# Allegro board C000PD020-3399PRO-DMEB-A-A01.brd (continued)
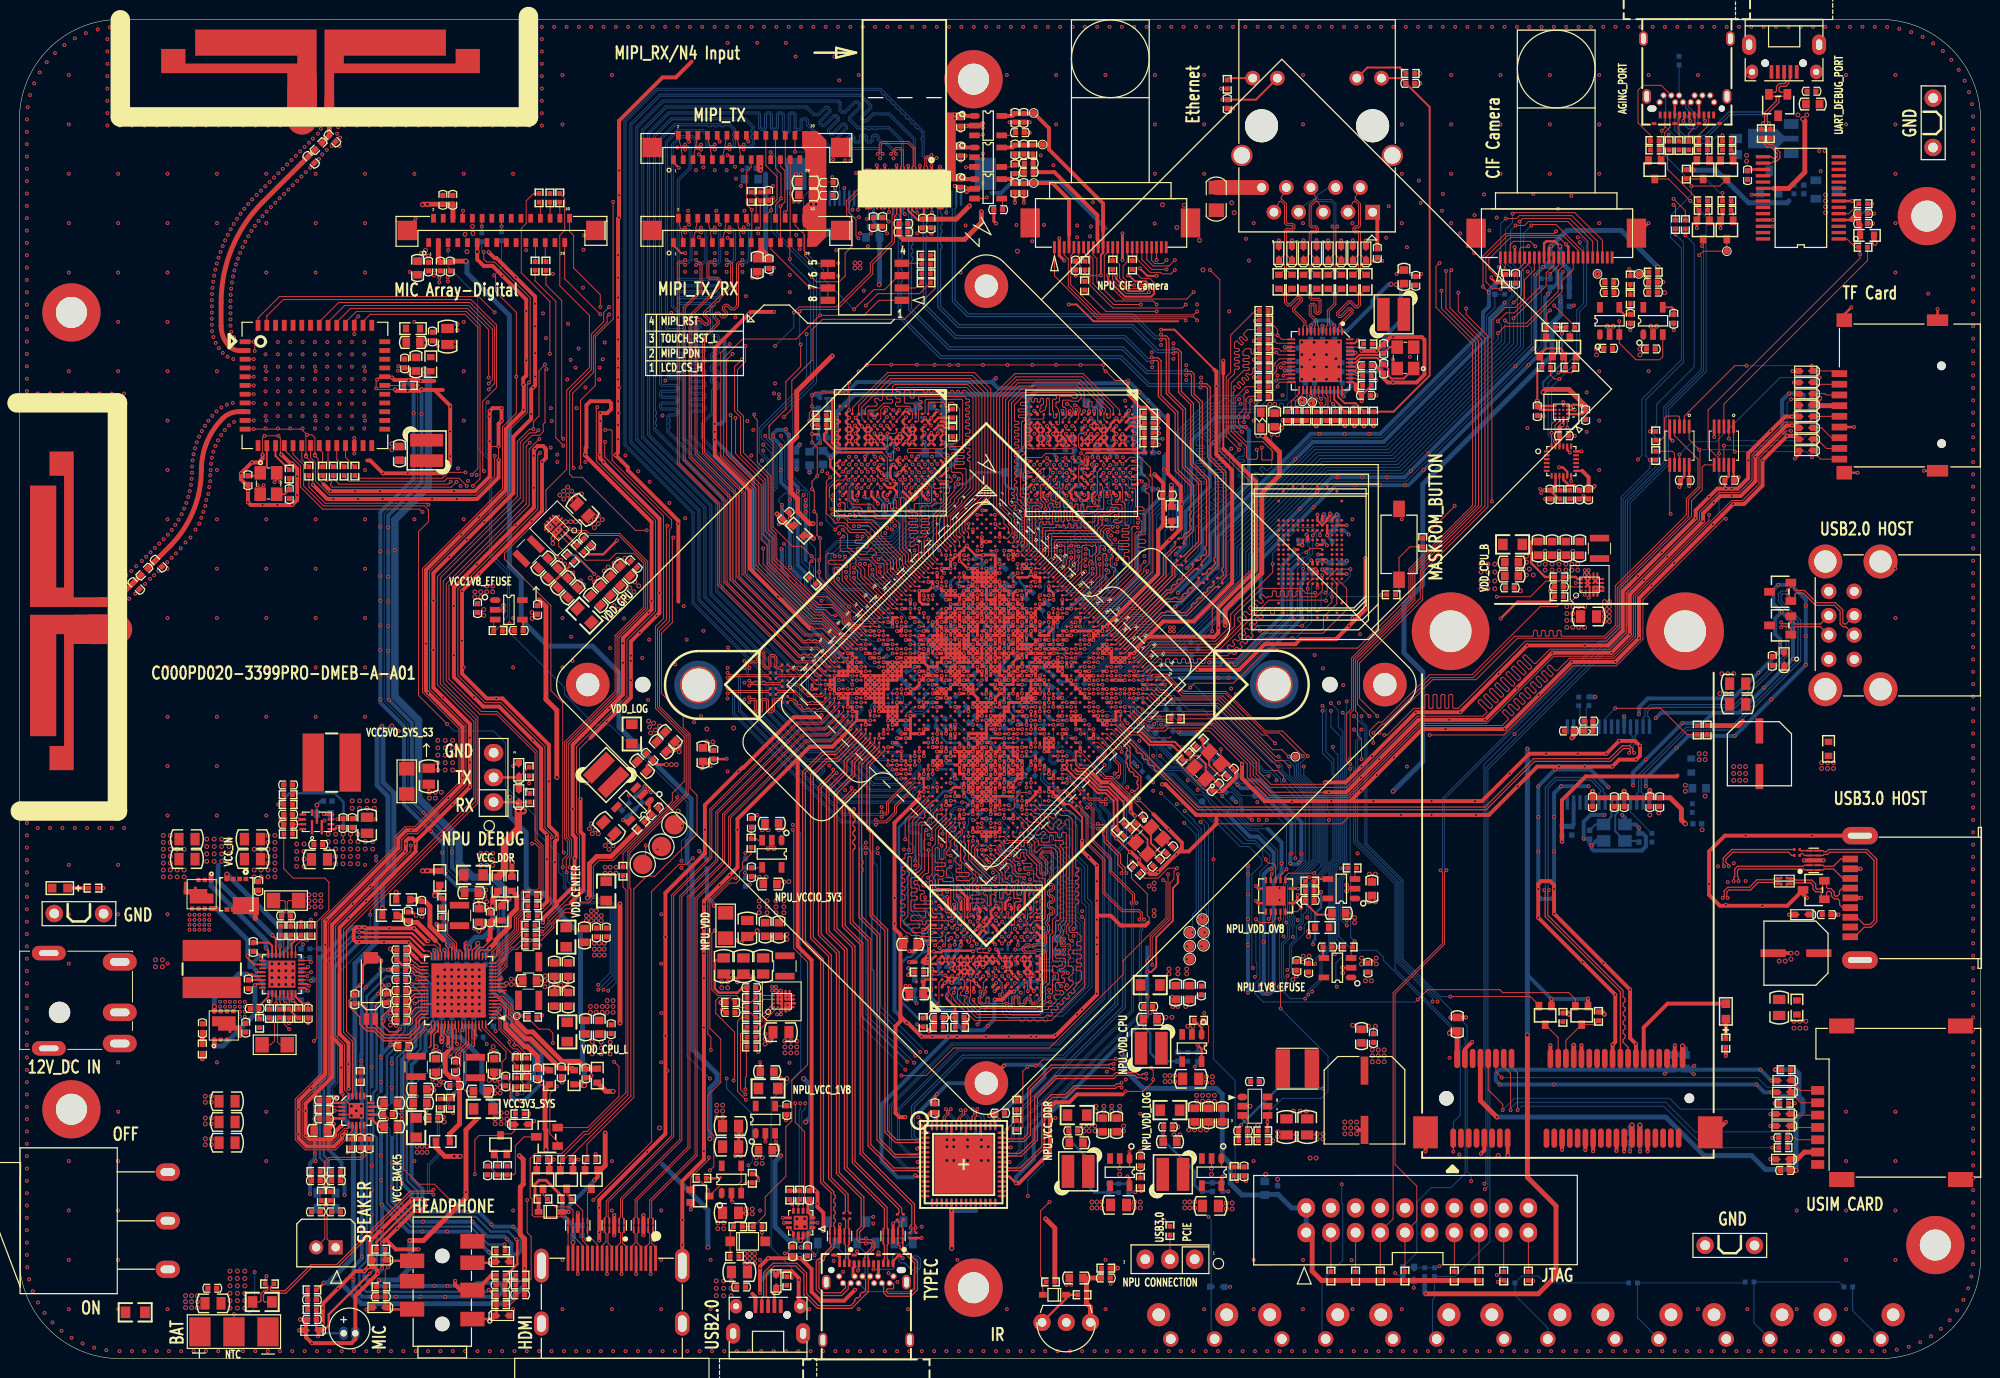
[diagram p0: board, top side]
## Routing (per net, layer and track width the routed paths; a pad name or vN(x,y) marks a point on that pad's centre or on a via; arc(x,y) is an arc through that point) (continued)
NPU_LPDDR3_A5: length 40.8
  TOP w0.102: U3100.F3 97.76,39.01 97.87,38.91 97.87,37.24 97.76,37.13 97.76,36.65 98.7,35.71 104.78,35.71 105.75,36.69 v1(106.06,36.69) ; U1000.AK40 v1(104.51,55.6)
  BOTTOM w0.102: v1(106.06,36.69) 106.06,36.66 106.16,36.56 106.93,36.56 109.14,38.78 109.14,44.73 108.55,45.33 107.17,45.33 106.97,45.53 106.97,45.78 107.07,45.88 107.38,45.88 107.48,45.98 107.48,46.18 107.38,46.28 107.07,46.28 106.97,46.39 106.97,46.59 107.07,46.69 107.38,46.69 107.48,46.79 107.48,47 107.38,47.1 107.07,47.1 106.97,47.2 106.97,47.4 107.07,47.5 107.38,47.5 107.48,47.6 107.48,47.81 107.38,47.91 107.07,47.91 106.97,48.01 106.97,48.21 107.07,48.32 107.38,48.32 107.48,48.42 107.48,48.62 107.38,48.72 107.07,48.72 106.97,48.82 106.97,49.8 107.38,50.2 107.38,50.71 106.22,51.87 106.22,52.59 106.12,52.69 105.52,52.69 105.42,52.79 105.42,52.99 105.52,53.1 106.12,53.1 106.22,53.2 106.22,53.89 v1(104.51,55.6)
NPU_LPDDR3_A6: length 46.4
  TOP w0.102: U1000.AM39 102.86,55.72 103,55.72 103.78,54.94 103.78,54.76 104.14,54.4 104.28,54.4 104.7,54.81 104.84,54.81 104.98,54.67 104.98,54.53 104.57,54.12 104.57,53.97 104.72,53.83 104.86,53.83 105.27,54.24 105.41,54.24 105.56,54.1 105.56,53.95 105.15,53.54 105.15,53.23 105.25,53.13 105.82,53.13 105.98,53.29 105.98,53.75 106.08,53.85 106.28,53.85 106.38,53.75 106.38,53.41 106.48,53.31 107.31,53.31 107.42,53.21 107.42,52.96 107.35,52.89 107.19,52.89 107.14,52.84 107.14,52.69 107.42,52.41 107.42,45.08 106.91,44.58 106.91,44.12 107.11,43.92 107.11,43.76 106.6,43.26 106.6,43.03 106.81,42.82 106.81,42.52 106.6,42.32 106.6,42.11 106.71,42.01 107.01,42.01 107.11,41.91 107.11,41.71 107.01,41.61 106.71,41.61 106.6,41.5 106.6,41.3 106.71,41.2 107.52,41.2 107.62,41.1 107.62,40.36 107.42,40.16 107.11,40.16 107.04,40.08 107.04,39.88 107.14,39.78 107.46,39.78 107.52,39.72 107.52,39.58 107.44,39.5 107.32,39.5 107.23,39.41 107.23,39.27 107.33,39.17 107.42,39.17 107.52,39.07 107.52,38.79 107.42,38.68 106.71,38.68 106.6,38.58 106.6,37.95 106.71,37.85 107.34,37.85 107.44,37.74 107.44,37.56 107.32,37.44 106.58,37.44 106.47,37.34 106.47,37.16 106.68,36.95 106.68,36.78 106.18,36.28 105.99,36.28 105.89,36.18 105.89,36.02 105.79,35.92 105.46,35.92 104.95,35.41 98.58,35.41 97.26,36.73 97.26,36.93 97.46,37.13 97.46,37.24 97.36,37.34 96.95,37.34 96.85,37.44 96.85,37.64 97.23,38.02 97.23,38.89 97.1,39.01 97.03,39.01 U3100.E3
NPU_LPDDR3_A7: length 45.2
  TOP w0.102: U3100.E2 96.53,37.85 96.53,37.03 98.45,35.1 105.49,35.1 105.75,35.36 105.89,35.36 106,35.25 106.14,35.25 106.29,35.4 106.29,35.54 106.18,35.65 106.18,35.8 106.33,35.94 106.47,35.94 106.58,35.83 106.72,35.83 106.87,35.98 106.87,36.12 106.76,36.23 106.76,36.38 106.91,36.52 107.05,36.52 107.16,36.41 107.3,36.41 107.45,36.56 107.45,36.7 107.34,36.81 107.34,36.95 107.49,37.1 107.63,37.1 107.74,36.99 107.88,36.99 108.03,37.14 108.03,37.28 107.92,37.39 107.92,37.53 108.06,37.68 108.21,37.68 108.32,37.57 108.46,37.57 108.61,37.72 108.61,37.86 108.5,37.97 108.5,38.11 108.74,38.35 108.74,38.58 108.84,38.68 108.94,38.68 109.28,39.02 109.28,39.41 109.28,39.81 109.18,39.91 108.85,39.91 108.75,40.01 108.75,40.21 108.85,40.32 109.18,40.32 109.28,40.42 109.28,40.62 109.18,40.72 108.85,40.72 108.75,40.82 108.75,41.03 108.85,41.13 109.18,41.13 109.28,41.23 109.28,41.5 109.14,41.64 108.51,41.64 108.4,41.74 108.4,41.95 108.51,42.05 109.14,42.05 109.25,42.15 109.25,42.39 109.14,42.49 108.89,42.49 108.79,42.59 108.79,42.8 108.89,42.9 109.14,42.9 109.25,43 109.25,43.46 108.85,43.85 108.13,43.85 108.03,43.95 108.03,44.35 108.33,44.65 108.33,55.5 107.95,55.88 107.18,55.88 106.58,56.48 104.98,56.48 104.52,56.94 104.37,56.94 104.37,56.94 U1000.AJ39
NPU_LPDDR3_A8: length 41.5
  TOP w0.102: v1(98.17,36.93) 98.17,36.73 98.88,36.02 104.65,36.02 105.59,36.96 105.59,38.25 105.99,38.66 105.99,43.51 106.3,43.81 106.3,45.16 106.81,45.67 106.81,52.12 106.37,52.56 105.16,52.56 104.72,52.12 104.58,52.12 104.48,52.22 104.48,53.13 103.96,53.65 103.39,53.65 103.29,53.75 103.29,54.07 103.18,54.17 102.98,54.17 102.88,54.07 102.88,53.75 102.78,53.65 102.35,53.65 102.25,53.75 102.25,54.18 U1000.AP40 ; v1(96.14,37.64) 96.24,37.74 U3100.D2
  BOTTOM w0.102: v1(98.17,36.93) 98.23,36.87 98.23,35.98 98.13,35.88 97.71,35.88 97.61,35.98 97.61,37.2 97.51,37.3 97.31,37.3 97.21,37.2 97.21,36.08 97.1,35.98 96.88,35.98 96.77,36.08 96.77,37.3 96.67,37.4 96.47,37.4 96.37,37.3 96.37,36.39 96.27,36.28 96,36.28 95.9,36.39 95.9,37.4 v1(96.14,37.64)
NPU_LPDDR3_A9: length 41.5
  TOP w0.102: U3100.C2 95.59,37.68 96.14,37.13 96.14,36.93 98.27,34.8 106.19,34.8 109.61,38.22 109.61,45.2 v1(109.35,45.47) ; U1000.AG36 v1(103.63,58.79)
  BOTTOM w0.102: v1(109.35,45.47) 108.94,45.87 108.94,49.09 108.84,49.19 107.99,49.19 107.88,49.29 107.88,49.49 108.09,49.7 108.09,51.01 107,52.1 107,54.34 104.47,56.87 104.47,57.12 103.56,58.03 103.56,58.71 v1(103.63,58.79)
NPU_LPDDR3_CKE: length 44.5
  TOP w0.102: v1(103.95,58.26) 103.08,58.26 102.37,57.54 102.37,56.71 102.14,56.48 U1000.AM37 ; U3100.K4 100.46,39.5 v1(100.46,39.37) 100.46,39.33 U3100.K3
  BOTTOM w0.102: v1(100.46,39.37) 100.46,39.22 100.91,38.76 100.91,38.46 101.52,37.85 101.52,37.64 101.78,37.39 101.78,36.09 102.26,35.61 104.88,35.61 105.18,35.92 107.15,35.92 109.75,38.52 109.75,46.5 109.31,46.95 109.31,50.3 109.1,50.51 108.96,50.51 108.85,50.39 108.85,49.7 108.75,49.6 108.58,49.6 108.48,49.7 108.48,51.15 107.33,52.31 107.33,52.47 107.43,52.57 107.92,52.57 108.12,52.77 108.12,53.69 107.99,53.82 107.82,53.82 107.72,53.71 107.72,53.07 107.67,53.02 107.45,53.02 107.37,53.1 107.37,54.44 104.88,56.93 104.88,57.32 v1(103.95,58.26)
NPU_LPDDR3_CLKN: length 45
  TOP w0.102: U1000.AT40 101.33,53.1 101.43,53 101.73,53 101.83,53.1 102.94,53.1 103.04,53 103.04,52.79 103.14,52.69 103.29,52.69 103.39,52.79 103.39,53.05 103.44,53.1 103.68,53.1 103.96,52.82 103.96,51.95 105,50.91 105,49.96 105.22,49.74 105.59,49.74 105.81,49.96 105.81,51.15 105.23,51.73 105.23,51.91 105.35,52.03 106.07,52.03 106.18,51.93 106.18,49.59 105.79,49.21 105.79,48.91 106.01,48.69 106.2,48.69 106.3,48.59 106.3,48.39 106.2,48.29 106.01,48.29 105.79,48.07 105.79,47.72 106.01,47.5 106.17,47.5 106.3,47.37 106.3,47.17 106.2,47.07 106.01,47.07 105.79,46.85 105.79,46.47 106.01,46.25 106.2,46.25 106.3,46.15 106.3,45.95 106.2,45.85 106.01,45.85 105.79,45.63 105.79,45.16 105.59,44.96 105.59,44.65 105.79,44.45 105.79,44.03 105.49,43.72 105.49,42.82 105.33,42.67 104.33,42.67 104.21,42.55 104.07,42.55 103.95,42.67 103.54,42.67 103.2,42.33 103.2,41.98 103.44,41.73 104.48,41.73 104.66,41.91 105.3,41.91 105.49,41.72 105.49,38.92 105.08,38.51 105.08,37.95 105.03,37.9 105.03,37.59 105.08,37.54 105.08,37.22 104.47,36.61 104.27,36.61 104.17,36.71 104.17,36.89 103.95,37.11 103.57,37.11 103.35,36.89 103.35,36.63 103.25,36.53 103.05,36.53 102.95,36.63 102.95,37.11 102.73,37.33 102.36,37.33 102.13,37.1 102.13,36.63 102.03,36.53 101.83,36.53 101.73,36.62 101.42,36.62 101.32,36.53 99.89,36.53 99.78,36.63 99.78,37.11 99.72,37.17 99.56,37.17 99.46,37.07 99.46,36.63 99.35,36.53 99.16,36.53 98.86,36.82 98.86,37.03 98.97,37.13 99.04,37.13 99.23,37.33 99.23,37.59 v1(99.39,37.74) 99.39,38.11 U3100.J2
  BOTTOM w0.102: R3109.1 99.29,37.5 99.29,37.65 v1(99.39,37.74)
NPU_LPDDR3_CLKP: length 45.5
  TOP w0.102: 100.87,53.73 U1000.AT39 101.32,53.73 101.74,53.31 103.77,53.31 104.17,52.91 104.17,52.03 105.2,51 105.2,50.05 105.3,49.95 105.5,49.95 105.6,50.05 105.6,51.07 105.03,51.64 105.03,52.01 105.25,52.23 106.16,52.23 106.38,52.01 106.38,49.51 105.99,49.13 105.99,49 106.1,48.89 106.28,48.89 106.5,48.68 106.5,48.67 106.5,48.3 106.28,48.08 106.1,48.08 105.99,47.98 105.99,47.8 106.1,47.7 106.26,47.7 106.5,47.46 106.5,47.08 106.28,46.86 106.28,46.86 106.1,46.86 105.99,46.76 105.99,46.56 106.1,46.46 106.28,46.46 106.5,46.24 106.5,45.86 106.28,45.64 106.28,45.64 106.1,45.64 105.99,45.54 105.99,45.07 105.79,44.87 105.79,44.74 105.9,44.63 105.9,44.63 105.99,44.53 105.99,43.94 105.9,43.85 105.9,43.84 105.69,43.64 105.69,42.74 105.42,42.47 104.42,42.47 104.3,42.34 103.99,42.34 103.86,42.47 103.62,42.47 103.4,42.25 103.4,42.06 103.53,41.94 104.39,41.94 104.54,42.08 104.54,42.08 104.57,42.11 105.38,42.11 105.42,42.08 105.42,42.08 105.69,41.81 105.69,41.81 105.69,38.83 105.28,38.43 105.28,37.86 105.24,37.81 105.23,37.68 105.28,37.63 105.28,37.13 104.56,36.41 104.18,36.41 103.96,36.63 103.96,36.8 103.86,36.91 103.66,36.91 103.56,36.8 103.56,36.54 103.34,36.32 102.96,36.32 102.74,36.54 102.74,37.02 102.64,37.12 102.44,37.12 102.34,37.02 102.34,36.54 102.12,36.32 101.74,36.32 101.64,36.42 101.51,36.42 101.41,36.32 99.08,36.32 98.66,36.74 98.66,37.11 98.88,37.33 98.93,37.33 99.02,37.42 99.02,37.61 v1(98.88,37.74) 99.19,38.05 99.19,38.71 U3100.J3
  BOTTOM w0.102: v1(98.88,37.74) 98.78,37.64 R3108.1
NPU_LPDDR3_CS0: length 37.9
  TOP w0.102: U3100.L3 100.79,38.98 101.12,38.66 101.12,37.67 v1(100.89,37.44) ; U1000.AG40 v1(105.92,57.4)
  BOTTOM w0.102: v1(100.89,37.44) 100.89,37.41 101.17,37.13 101.17,35.61 101.81,34.96 102.85,34.96 102.96,34.86 102.96,34.76 103.06,34.65 103.26,34.65 103.36,34.76 103.36,34.86 103.46,34.96 103.67,34.96 103.77,34.86 103.77,34.76 103.87,34.65 104.07,34.65 104.17,34.76 104.17,34.86 104.28,34.96 104.48,34.96 104.58,34.86 104.58,34.76 104.68,34.65 104.89,34.65 104.99,34.76 104.99,34.86 105.09,34.96 105.29,34.96 105.39,34.86 105.39,34.76 105.5,34.65 105.7,34.65 105.8,34.76 105.8,35.13 105.9,35.23 107.34,35.23 110.36,38.25 110.36,46.91 109.92,47.36 109.92,50.71 108.84,51.78 108.84,54.84 106.28,57.4 v1(105.92,57.4)
NPU_LPDDR3_CS1: length 41.4
  TOP w0.102: U3100.L4 100.42,40.18 v1(100.41,40.18) ; U1000.AF36 104.09,59.27 v1(104.09,59.27)
  BOTTOM w0.102: v1(100.41,40.18) 100.41,39.85 100.1,39.55 100.1,38.52 100.37,38.25 100.71,38.25 101.24,37.72 101.24,37.49 101.47,37.26 101.47,35.96 102.13,35.31 105.08,35.31 105.38,35.61 107.27,35.61 110.06,38.39 110.06,46.71 109.61,47.15 109.61,50.51 108.4,51.72 108.4,54.41 108.33,54.48 107.83,54.48 107.69,54.62 107.69,54.76 107.76,54.82 107.76,54.97 107.61,55.11 107.47,55.11 107.4,55.05 107.26,55.05 106.68,55.63 106.68,55.77 106.83,55.92 106.83,56.07 106.69,56.21 106.55,56.21 106.39,56.06 106.25,56.06 106.11,56.2 106.11,56.34 106.26,56.5 106.26,56.64 106.12,56.79 105.97,56.79 105.82,56.63 105.68,56.63 105.18,57.12 105.18,57.57 104.09,58.66 v1(104.09,59.27)
NPU_LPDDR3_ODT0: length 39.1
  TOP w0.102: U3100.J8 99.36,43.01 99.36,43.01 99.27,43.01 99.15,42.89 99.15,42.68 99.25,42.58 99.35,42.58 99.45,42.48 99.45,42.28 99.35,42.18 98.65,42.18 98.55,42.08 98.55,41.87 98.65,41.77 99.66,41.77 99.82,41.94 v1(99.82,42.11) ; v1(108.47,44.21) 108.6,44.21 108.7,44.31 108.7,46.71 108.8,46.81 108.91,46.81 109.01,46.91 109.01,47.11 108.91,47.21 108.8,47.21 108.7,47.32 108.7,47.52 108.8,47.62 108.91,47.62 109.01,47.72 109.01,47.92 108.91,48.03 108.8,48.03 108.7,48.13 108.7,48.33 108.8,48.43 108.91,48.43 109.01,48.53 109.01,48.74 108.91,48.84 108.8,48.84 108.7,48.94 108.7,49.14 108.8,49.25 108.91,49.25 109.01,49.35 109.01,49.55 108.91,49.65 108.8,49.65 108.7,49.75 108.7,49.96 108.8,50.06 108.91,50.06 109.01,50.16 109.01,50.36 108.91,50.46 108.8,50.46 108.69,50.57 108.69,55.77 108.08,56.39 107.29,56.39 106.73,56.94 U1000.AH40
  BOTTOM w0.102: v1(108.47,44.21) 108.47,44.18 108.33,44.04 108.05,44.04 107.95,44.15 107.95,44.62 107.85,44.72 107.65,44.72 107.54,44.62 107.54,44.01 107.44,43.9 107.24,43.9 107.14,44.01 107.14,44.62 107.04,44.72 106.83,44.72 106.73,44.62 106.73,43.94 106.63,43.84 106.4,43.84 106.3,43.94 106.3,44.01 106.2,44.11 105.99,44.11 105.89,44.01 105.89,43.74 106.1,43.54 106.1,41.2 105.99,41.1 104.67,41.1 104.57,41.2 104.57,41.58 104.47,41.68 99.31,41.68 99.15,41.85 99.15,42.17 99.39,42.42 99.7,42.42 99.8,42.32 99.8,42.16 99.82,42.14 v1(99.82,42.11)
NPU_MIPI_AVDD_0V8: length 1.9
  TOP w0.254: U1000.AM24 v1(95.82,61.99) 95.83,61.99 95.83,62 U1000.AM25
  BOTTOM w0.254: R9824.2 95.81,61.99 v1(95.82,61.99) 95.81,62 C9933.1
NPU_MIPI_AVDD_1V8: length 1.9
  TOP w0.254: U1000.AN25 95.39,61.54 95.37,61.53 v1(95.36,61.53) 95.36,61.54 95.36,61.54 U1000.AN24
  BOTTOM w0.254: R9825.2 C9934.1 95.38,61.5 95.36,61.51 v1(95.36,61.53)
NPU_MIPI_RX_CLKN: length 124.3
  TOP w0.102: J4600.30 93.86,119.33 93.76,119.43 93.76,120.9 93.49,121.17 91.92,121.17 91.72,120.96 91.47,120.96 v1(91.36,121.07)
  TOP w0.203: U1000.AY20 v1(89.84,60.62)
  BOTTOM w0.089: v1(89.84,60.62) 89.74,60.62 89.43,60.31
  BOTTOM w0.102: 89.43,60.31 89.33,60.21 88.43,60.21 84.47,64.17 81.93,64.17 78.56,67.54 78.56,70.18 70.43,78.31 70.43,87.49 63.42,94.5 63.42,126.76 66.17,129.5 84.32,129.5 84.54,129.28 84.54,128.5 84.68,128.36 84.89,128.36 85.93,129.4 86.28,129.4 86.62,129.06 86.62,128.75 85.53,127.65 85.53,127.51 86.28,126.76 89.52,126.76 90.96,125.32 90.96,121.05 91.09,120.92 91.22,120.92 v1(91.36,121.07)
NPU_MIPI_RX_CLKP: length 124.1
  TOP w0.102: v1(91.36,120.57) 91.56,120.76 91.8,120.76 92.01,120.97 93.41,120.97 93.56,120.81 93.56,119.43 93.46,119.33 J4600.29
  TOP w0.203: 90.76,61.08 v1(90.3,61.08)
  BOTTOM w0.089: v1(90.3,61.08) 89.84,61.08 89.25,60.49
  BOTTOM w0.102: 89.25,60.49 89.17,60.41 88.52,60.41 84.56,64.37 82.02,64.37 78.77,67.63 78.77,70.27 70.64,78.4 70.64,87.57 63.63,94.58 63.63,126.67 66.25,129.3 84.24,129.3 84.34,129.2 84.34,128.42 84.6,128.15 84.97,128.15 86.01,129.2 86.2,129.2 86.42,128.98 86.42,128.83 85.33,127.74 85.33,127.43 86.2,126.55 86.51,126.55 86.61,126.45 86.84,126.45 86.94,126.55 87.17,126.55 87.27,126.45 87.5,126.45 87.6,126.55 87.86,126.55 87.96,126.45 88.16,126.45 88.27,126.55 89.43,126.55 90.75,125.23 90.75,120.97 91,120.72 91.22,120.72 v1(91.36,120.57)
NPU_MIPI_RX_D0N: length 125.3
  TOP w0.102: J4600.3 93.06,122.61 93.16,122.71 93.16,123.52 93.4,123.76 93.77,123.76 v1(93.86,123.85)
  TOP w0.203: U1000.AW22 v1(91.22,60.16)
  BOTTOM w0.102: v1(93.86,123.85) 93.72,123.71 93.19,123.71 93.09,123.81 93.09,126.25 88.62,130.72 65.56,130.72 62.2,127.37 62.2,93.99 69.22,86.98 69.22,77.7 77.44,69.47 77.44,66.83 81.32,62.95 83.86,62.95 87.83,58.99 90.94,58.99 91.32,59.37 91.32,59.69 91.22,59.79 v1(91.22,60.16)
NPU_MIPI_RX_D0P: length 124.6
  TOP w0.102: J4600.2 93.46,122.61 93.36,122.71 93.36,123.44 93.48,123.56 93.65,123.56 v1(93.86,123.35)
  TOP w0.203: U1000.AY22 v1(90.76,59.7)
  BOTTOM w0.102: v1(90.76,59.7) 91.02,59.7 91.12,59.6 91.12,59.46 90.86,59.19 87.91,59.19 83.95,63.16 81.41,63.16 77.65,66.91 77.65,69.56 69.42,77.79 69.42,87.06 62.41,94.07 62.41,127.28 65.64,130.52 88.54,130.52 88.7,130.35 88.7,130.18 88.86,130.02 89.03,130.02 89.19,129.86 89.19,129.69 89.35,129.53 89.52,129.53 89.69,129.37 89.69,129.2 89.85,129.04 90.02,129.04 90.18,128.87 90.18,128.7 90.34,128.54 90.51,128.54 90.67,128.38 90.67,128.21 90.83,128.05 91,128.05 91.16,127.89 91.16,127.72 91.33,127.56 91.5,127.56 91.66,127.39 91.66,127.22 91.82,127.06 91.99,127.06 92.15,126.9 92.15,126.73 92.31,126.57 92.48,126.57 92.89,126.16 92.89,125.69 92.79,125.59 92.79,125.39 92.89,125.28 92.89,123.73 93.11,123.51 93.7,123.51 v1(93.86,123.35)
NPU_MIPI_RX_D1N: length 124.1
  TOP w0.102: v1(92.13,120.56) 92.13,120.56 92.28,120.41 92.28,118.74 J4600.26
  TOP w0.203: 91.22,60.62 v1(90.76,60.62)
  BOTTOM w0.089: v1(90.76,60.62) 90.3,60.62 89.71,60.03
  BOTTOM w0.102: 89.71,60.03 89.48,59.8 88.21,59.8 84.25,63.76 81.71,63.76 78.26,67.22 78.26,69.86 70.03,78.09 70.03,87.32 63.02,94.33 63.02,126.98 65.95,129.91 86.5,129.91 87.5,128.91 87.5,128.77 86.6,127.87 86.6,127.49 86.82,127.27 87.2,127.27 87.91,127.98 89.43,127.98 91.97,125.44 91.97,122.18 92.28,121.88 92.28,120.95 92.13,120.8 v1(92.13,120.56)
NPU_MIPI_RX_D1P: length 124.7
  TOP w0.102: J4600.27 92.66,119.16 92.48,119.34 92.48,120.41 92.63,120.56 v1(92.63,120.56)
  TOP w0.203: U1000.AY21 v1(90.3,60.16)
  BOTTOM w0.089: 89.85,59.89 90.14,60.18 90.28,60.18 v1(90.3,60.16)
  BOTTOM w0.102: 89.85,59.89 89.56,59.6 88.13,59.6 84.17,63.56 81.63,63.56 78.05,67.13 78.05,69.78 69.82,78.01 69.82,87.23 62.81,94.24 62.81,127.06 65.86,130.11 86.59,130.11 87.7,129 87.7,128.68 86.8,127.78 86.8,127.57 86.9,127.47 87.11,127.47 87.83,128.18 89.52,128.18 92.18,125.52 92.18,122.27 92.48,121.96 92.48,120.95 92.63,120.8 v1(92.63,120.56)
NPU_MIPI_RX_D2N: length 125.7
  TOP w0.102: v1(88.82,123.96) 88.67,124.12 88.67,124.88 88.82,125.03 91.43,125.03 91.96,124.5 91.96,122.71 91.86,122.61 J4600.6
  TOP w0.203: U1000.AU20 v1(91.68,61.54)
  BOTTOM w0.102: v1(88.82,123.96) 88.67,124.12 88.67,124.32 88.37,124.62 83.57,124.62 81.2,126.99 81.2,127.45 80.98,127.67 80.55,127.67 80.33,127.45 80.33,126.66 80.23,126.55 80.02,126.55 79.92,126.66 79.92,128.06 79.7,128.28 79.33,128.28 79.11,128.06 79.11,126.35 79.01,126.25 78.81,126.25 78.7,126.35 78.7,128.06 78.48,128.28 78.11,128.28 77.89,128.06 77.89,126.71 77.79,126.6 77.59,126.6 77.48,126.71 77.48,128.06 77.26,128.28 76.89,128.28 76.67,128.06 76.67,126.71 76.57,126.6 76.37,126.6 76.27,126.71 76.27,128.06 76.05,128.28 66.78,128.28 64.64,126.15 64.64,95 71.65,87.99 71.65,78.92 80.29,70.28 80.29,67.64 82.54,65.39 85.59,65.39 88.74,62.24 89.96,62.24 90.27,61.93 91.62,61.93 91.68,61.86 v1(91.68,61.54)
NPU_MIPI_RX_D2P: length 125.6
  TOP w0.102: J4600.5 92.26,122.61 92.16,122.71 92.16,124.59 91.52,125.23 88.74,125.23 88.47,124.96 88.47,124.11 v1(88.32,123.96)
  TOP w0.203: U1000.AT20 v1(92.14,62)
  BOTTOM w0.102: v1(92.14,62) 91.83,62 91.7,62.13 90.36,62.13 90.04,62.44 88.82,62.44 85.67,65.59 82.63,65.59 80.49,67.73 80.49,70.37 71.86,79 71.86,88.08 64.85,95.09 64.85,126.06 66.86,128.08 75.96,128.08 76.06,127.98 76.06,126.62 76.28,126.4 76.65,126.4 76.88,126.62 76.88,127.98 76.98,128.08 77.18,128.08 77.28,127.98 77.28,126.62 77.5,126.4 77.87,126.4 78.09,126.62 78.09,127.98 78.2,128.08 78.4,128.08 78.5,127.98 78.5,126.27 78.72,126.05 79.09,126.05 79.31,126.27 79.31,127.98 79.42,128.08 79.62,128.08 79.72,127.98 79.72,126.57 79.94,126.35 80.31,126.35 80.53,126.57 80.53,127.37 80.63,127.47 80.9,127.47 81,127.37 81,126.91 83.49,124.42 88.28,124.42 88.47,124.23 88.47,124.11 v1(88.32,123.96)
NPU_MIPI_RX_D3N: length 123.3
  TOP w0.102: v1(90.2,123.96) 90.09,124.06 90.09,124.26 90.26,124.42 90.57,124.42 90.76,124.23 90.76,122.71 90.66,122.61 J4600.9
  TOP w0.203: U1000.AY19 v1(89.38,61.08)
  BOTTOM w0.102: v1(90.2,123.96) 90.04,124.12 90.04,124.37 89.13,125.28 88.67,125.28 88.47,125.49 88.47,125.77 88.25,125.99 87.87,125.99 87.65,125.77 87.65,125.39 87.55,125.28 87.35,125.28 87.25,125.39 87.25,125.77 87.03,125.99 86.65,125.99 86.43,125.77 86.43,125.39 86.33,125.28 86.08,125.28 85.97,125.39 85.97,125.67 85.72,125.92 85.41,125.92 85.16,125.67 85.16,125.33 85.06,125.23 84.39,125.23 84.22,125.4 84.22,125.55 85.22,126.55 85.22,126.86 84.95,127.12 84.64,127.12 83.64,126.12 83.5,126.12 83.35,126.27 83.35,126.41 84.35,127.41 84.35,127.72 84.09,127.99 83.78,127.99 82.78,126.99 82.63,126.99 82.49,127.13 82.49,127.27 83.49,128.27 83.49,128.58 83.23,128.85 82.92,128.85 82.2,128.13 81.8,128.13 81.03,128.89 66.47,128.89 64.03,126.45 64.03,94.75 71.04,87.74 71.04,78.62 79.68,69.98 79.68,67.34 82.24,64.78 84.78,64.78 88.03,61.53 89.24,61.53 89.38,61.39 v1(89.38,61.08)
NPU_MIPI_RX_D3P: length 123.2
  TOP w0.102: J4600.8 91.06,122.61 90.96,122.71 90.96,124.32 90.65,124.62 90.17,124.62 89.89,124.34 89.89,124.17 v1(89.69,123.96)
  TOP w0.203: U1000.AW19 v1(89.84,61.54)
  BOTTOM w0.102: v1(89.69,123.96) 89.84,124.12 89.84,124.28 89.04,125.08 88.59,125.08 88.26,125.41 88.26,125.69 88.16,125.79 87.96,125.79 87.86,125.69 87.86,125.3 87.64,125.08 87.26,125.08 87.04,125.3 87.04,125.69 86.94,125.79 86.74,125.79 86.64,125.69 86.64,125.3 86.42,125.08 85.99,125.08 85.77,125.3 85.77,125.59 85.64,125.72 85.5,125.72 85.36,125.59 85.36,125.25 85.14,125.03 84.3,125.03 84.01,125.32 84.01,125.63 85.01,126.63 85.01,126.77 84.87,126.92 84.73,126.92 83.73,125.92 83.41,125.92 83.15,126.18 83.15,126.49 84.15,127.49 84.15,127.64 84.01,127.78 83.86,127.78 82.86,126.78 82.55,126.78 82.29,127.04 82.29,127.36 83.29,128.36 83.29,128.5 83.14,128.64 83,128.64 82.28,127.93 81.71,127.93 80.95,128.69 66.56,128.69 64.24,126.37 64.24,94.83 71.25,87.82 71.25,78.7 79.88,70.06 79.88,67.42 82.32,64.98 84.86,64.98 88.11,61.73 89.32,61.73 89.51,61.54 v1(89.84,61.54)
NPU_MIPI_TX_CLKN: length 36
  TOP w0.102: v1(75.11,69.76) 75.31,69.56 75.54,69.56 75.69,69.71 75.92,69.71 76.07,69.56 76.3,69.56 76.45,69.71 76.68,69.71 76.84,69.56 78.29,69.56 R9821.2
  TOP w0.203: U1000.AU23 v1(93.06,60.16)
  BOTTOM w0.102: v1(93.06,60.16) 93.06,59.98 93.06,59.98 93.05,59.98 92.93,59.86 92.93,59.13 92.73,58.94 92.48,58.94 92.38,58.84 92.38,58.63 92.23,58.48 92.08,58.48 91.92,58.33 91.92,58.13 91.77,57.97 84.76,57.97 83.3,59.44 83.3,59.61 83.49,59.81 83.64,59.81 84.51,58.94 85.05,58.94 85.47,59.36 85.47,59.8 83.64,61.63 82.98,61.63 82.88,61.73 82.68,61.73 82.58,61.63 82.37,61.63 82.27,61.73 82.02,61.73 81.92,61.63 81.71,61.63 81.61,61.73 81.41,61.73 81.31,61.63 81.1,61.63 76.43,66.3 76.43,68.95 75.72,69.66 75.21,69.66 v1(75.11,69.76)
NPU_MIPI_TX_CLKP: length 36.1
  TOP w0.102: R9820.2 78.29,69.35 75.2,69.35 v1(75.11,69.26)
  TOP w0.203: U1000.AT23 v1(93.52,60.62)
  BOTTOM w0.089: v1(93.52,60.62) 93.52,60.16 93.13,59.77
  BOTTOM w0.102: 93.13,59.77 93.13,59.05 92.44,58.36 92.07,57.98 91.91,57.83 91.86,57.77 84.68,57.77 83.09,59.35 83.09,59.69 83.41,60.01 83.72,60.01 84.59,59.14 84.96,59.14 85.27,59.45 85.27,59.72 83.56,61.43 81.02,61.43 76.23,66.22 76.23,68.86 75.63,69.45 75.3,69.45 v1(75.11,69.26)
NPU_MIPI_TX_D0N: length 37
  TOP w0.102: R9813.2 78.49,68.06 78.36,67.93 77.71,67.93 77.49,67.71 77.49,66.76 77.39,66.66 77.18,66.66 77.08,66.76 77.08,67.71 76.86,67.93 76.49,67.93 76.27,67.71 76.27,66.76 76.17,66.66 75.97,66.66 75.86,66.76 75.86,67.71 75.64,67.93 75.21,67.93 v1(75.11,68.03)
  TOP w0.203: U1000.AU24 v1(93.52,59.7)
  BOTTOM w0.102: v1(75.11,68.03) 75.23,67.91 75.6,67.91 75.82,67.69 75.82,66 81.48,60.33 81.63,60.33 82.29,61 82.6,61 82.86,60.73 82.86,60.42 82.2,59.76 82.2,59.62 84.46,57.36 92.99,57.36 93.9,58.28 93.9,59.09 94.1,59.28 94.1,59.43 93.82,59.7 v1(93.52,59.7)
NPU_MIPI_TX_D0P: length 37.5
  TOP w0.102: v1(75.11,67.53) 75.3,67.73 75.56,67.73 75.66,67.63 75.66,66.68 75.88,66.46 76.25,66.46 76.47,66.68 76.47,67.63 76.57,67.73 76.78,67.73 76.88,67.63 76.88,66.68 77.1,66.46 77.47,66.46 77.69,66.68 77.69,67.63 77.79,67.73 78.29,67.73 R9812.2
  TOP w0.203: U1000.AT24 v1(93.98,60.16)
  BOTTOM w0.102: v1(93.98,60.16) 93.98,59.84 94.3,59.51 94.3,59.2 94.11,59.01 94.11,58.19 93.07,57.16 84.37,57.16 82,59.53 82,59.84 82.66,60.51 82.66,60.65 82.52,60.79 82.37,60.79 81.71,60.13 81.4,60.13 75.62,65.92 75.62,67.61 75.51,67.71 75.29,67.71 v1(75.11,67.53)
NPU_MIPI_TX_D1N: length 33.4
  TOP w0.089: 91.39,58.35 91.39,58.5 92.13,59.24 U1000.AW24
  TOP w0.102: v1(72.87,68.95) 73.08,68.74 77.07,68.74 R9815.2 ; v1(88.11,55.43) 88.21,55.33 89.15,55.33 90.04,56.23 90.04,56.89 91.39,58.24 91.39,58.35
  BOTTOM w0.102: v1(72.87,68.95) 73.08,68.74 73.36,68.74 73.58,68.52 73.58,66.41 84.66,55.33 87.91,55.33 88.01,55.43 v1(88.11,55.43)
NPU_MIPI_TX_D1P: length 32.8
  TOP w0.089: 91.59,58.15 91.59,58.41 91.97,58.78 U1000.AY24
  TOP w0.102: 91.59,58.15 90.25,56.81 90.25,56.14 89.23,55.13 88.32,55.13 v1(88.11,54.93) ; R9814.2 77.07,68.54 72.97,68.54 v1(72.87,68.45)
  BOTTOM w0.102: v1(88.11,54.93) 88.02,54.93 87.82,55.13 84.57,55.13 73.38,66.32 73.38,68.44 73.28,68.54 72.97,68.54 v1(72.87,68.45)
NPU_MIPI_TX_D2N: length 34
  TOP w0.089: U1000.AW23 91.67,59.7 91.29,59.33 90.86,58.89 90.86,58.88 90.86,58.88
  TOP w0.102: v1(88.72,56.25) 88.83,56.14 88.84,56.14 89.13,56.14 89.23,56.25 89.23,57.25 90.82,58.84 90.82,58.85 90.86,58.88 ; v1(72.87,70.56) 73.07,70.37 77.07,70.37 R9817.2
  BOTTOM w0.102: v1(88.72,56.25) 88.57,56.09 84.81,56.09 74.19,66.71 74.19,70.15 73.97,70.37 73.07,70.37 v1(72.87,70.56)
NPU_MIPI_TX_D2P: length 33.4
  TOP w0.089: 91.01,58.74 91.03,58.75 91.03,58.76 91.06,58.8 91.06,58.83 91.27,59.03 91.45,59.22 91.48,59.24 U1000.AY23
  TOP w0.102: v1(72.87,70.06) 72.97,70.17 77.07,70.17 R9816.2 ; v1(88.72,55.74) 88.93,55.94 89.21,55.94 89.43,56.16 89.43,57.16 91.01,58.74
  BOTTOM w0.102: v1(88.72,55.74) 88.57,55.89 84.73,55.89 73.99,66.63 73.99,70.06 73.89,70.17 73.07,70.17 73.07,70.16 72.97,70.16 v1(72.87,70.06)
NPU_MIPI_TX_D3N: length 36.9
  TOP w0.102: R9819.2 78.29,71.18 78.03,71.18 77.93,71.28 77.93,72.23 77.71,72.45 77.34,72.45 77.12,72.23 77.12,71.28 77.02,71.18 76.81,71.18 76.71,71.28 76.71,72.64 76.49,72.86 76.12,72.86 75.9,72.64 75.9,71.89 75.8,71.79 75.13,71.79 74.8,71.47 74.8,71.28 v1(74.6,71.08)
  TOP w0.203: U1000.AT21 v1(92.6,61.54)
  BOTTOM w0.102: v1(92.6,61.54) 92.6,61.23 92.76,61.07 92.76,60.6 92.08,59.92 92.08,59.31 91.14,58.38 87.52,58.38 83.56,62.34 81.02,62.34 76.84,66.53 76.84,69.17 75.84,70.17 75.02,70.17 74.8,70.39 74.8,70.88 v1(74.6,71.08)
NPU_MIPI_TX_D3P: length 35.6
  TOP w0.102: R9818.2 78.29,70.98 77.95,70.98 77.73,71.2 77.73,72.15 77.62,72.25 77.42,72.25 77.32,72.15 77.32,71.2 77.1,70.98 76.73,70.98 76.51,71.2 76.51,72.55 76.41,72.65 76.2,72.65 76.1,72.55 76.1,71.81 75.88,71.59 75.21,71.59 75.01,71.38 75.01,71.18 v1(75.11,71.08)
  TOP w0.203: U1000.AU21 v1(92.14,61.08)
  BOTTOM w0.102: v1(75.11,71.08) 75.01,70.98 75.01,70.47 75.11,70.37 75.92,70.37 77.04,69.25 77.04,66.61 81.1,62.55 83.64,62.55 87.6,58.58 91.06,58.58 91.87,59.4 91.87,60.01 92.55,60.69 92.55,60.99 92.46,61.08 v1(92.14,61.08)
